# KiCad board sweep-v4.kicad_pcb

Outline 229.54 x 95.11 mm; copper layers: Top, Bottom. Coordinates in mm from the lower left corner of the outline.
Outline path: 1.43,78.35 arc(0.56,77.45) 0.01,76.33 0,22.03 arc(0.62,20.64) 2.04,20.1 2.31,20.09 arc(37.6,17.84) 72.34,11.19 ; 1.44,78.34 arc(22.41,90.78) 46.41,95.1 50.39,95.1 ; 50.39,95.11 arc(72.85,92.18) 94.57,85.78 arc(94.89,85.5) 95,85.1 95,63.7 arc(95.29,62.99) 96,62.7 112.7,62.7 arc(113.23,62.48) 113.45,61.95 113.47,56.46 113.83,56.46 arc(114.78,55.8) 115.74,56.46 116.08,56.46 116.09,61.95 arc(116.31,62.48) 116.84,62.7 133.54,62.7 arc(134.25,62.99) 134.54,63.7 134.54,85.1 arc(134.65,85.5) 134.97,85.78 arc(156.7,92.18) 179.16,95.11 ; 72.34,11.18 arc(85.36,6.73) 97.52,0.27 arc(99.01,0) 100.25,0.87 111.7,20.96 arc(113,24.54) 113.47,28.32 113.45,30.84 113.83,30.84 arc(114.78,31.49) 115.74,30.84 116.09,30.84 116.08,28.32 arc(116.53,24.56) 117.82,21 129.29,0.87 arc(130.53,0) 132.02,0.27 arc(144.18,6.73) 157.2,11.18 ; 157.2,11.19 arc(191.94,17.84) 227.23,20.09 227.51,20.1 arc(228.92,20.64) 229.54,22.03 229.53,76.33 arc(228.98,77.45) 228.11,78.35 arc(207.13,90.78) 183.13,95.1 179.16,95.1 ; 113.45,51.35 113.45,43.31 113.47,35.94 113.83,35.94 arc(114.78,35.28) 115.74,35.94 116.08,35.94 116.09,43.31 116.09,51.35 115.74,51.35 arc(114.78,52) 113.83,51.35 113.45,51.35

## Placement (name value [footprint] x y rotation side)
J1  AudioJack4dpb  [TRRS-PJ-DPB2]  118.81 25.83 90 top
J2  AudioJack4dpb  [TRRS-PJ-DPB2]  110.73 25.83 270 top
mouse-bite-5mm-slot  VAL**  [mouse-bite-5mm-slot-with-space-for-track]  114.78 53.89 0 top
mouse-bite-5mm-slot#2  VAL**  [mouse-bite-5mm-slot-with-space-for-track]  114.78 33.38 0 top
SW2  SW_Push  [keyswitch_cherrymx_alps_choc12_1u]  9.54 67.57 0 top
SW2_r1  SW_Push  [keyswitch_cherrymx_alps_choc12_1u]  220.17 67.57 0 top
SW3  SW_Push  [keyswitch_cherrymx_alps_choc12_1u]  28.54 79.57 0 top
SW3_r1  SW_Push  [keyswitch_cherrymx_alps_choc12_1u]  201.16 79.57 0 top
SW4  SW_Push  [keyswitch_cherrymx_alps_choc12_1u]  47.54 85.71 0 top
SW4_r1  SW_Push  [keyswitch_cherrymx_alps_choc12_1u]  182.13 85.71 0 top
SW5  SW_Push  [keyswitch_cherrymx_alps_choc12_1u]  66.54 81.14 0 top
SW5_r1  SW_Push  [keyswitch_cherrymx_alps_choc12_1u]  163.13 81.2 0 top
SW6  SW_Push  [keyswitch_cherrymx_alps_choc12_1u]  85.54 78.57 0 top
SW6_r1  SW_Push  [keyswitch_cherrymx_alps_choc12_1u]  144.13 78.57 0 top
SW7_r1  SW_Push  [keyswitch_cherrymx_alps_choc12_1u]  220.17 48.57 0 top
SW8  SW_Push  [keyswitch_cherrymx_alps_choc12_1u]  9.54 48.57 0 top
SW8_r1  SW_Push  [keyswitch_cherrymx_alps_choc12_1u]  201.16 60.59 0 top
SW9  SW_Push  [keyswitch_cherrymx_alps_choc12_1u]  28.54 60.49 0 top
SW9_r1  SW_Push  [keyswitch_cherrymx_alps_choc12_1u]  182.13 66.69 0 top
SW10  SW_Push  [keyswitch_cherrymx_alps_choc12_1u]  47.54 66.69 0 top
SW11  SW_Push  [keyswitch_cherrymx_alps_choc12_1u]  66.54 62.12 0 top
SW11_r1  SW_Push  [keyswitch_cherrymx_alps_choc12_1u]  163.13 62.15 0 top
SW12  SW_Push  [keyswitch_cherrymx_alps_choc12_1u]  85.52 59.58 0 top
SW12_r1  SW_Push  [keyswitch_cherrymx_alps_choc12_1u]  144.13 59.58 0 top
SW13_r1  SW_Push  [keyswitch_cherrymx_alps_choc12_1u]  220.17 29.57 0 top
SW14  SW_Push  [keyswitch_cherrymx_alps_choc12_1u]  9.54 29.57 0 top
SW15  SW_Push  [keyswitch_cherrymx_alps_choc12_1u]  28.55 41.44 0 top
SW15_r1  SW_Push  [keyswitch_cherrymx_alps_choc12_1u]  182.13 47.67 0 top
SW16  SW_Push  [keyswitch_cherrymx_alps_choc12_1u]  47.54 47.67 0 top
SW16_r1  SW_Push  [keyswitch_cherrymx_alps_choc12_1u]  163.13 43.1 0 top
SW17  SW_Push  [keyswitch_cherrymx_alps_choc12_1u]  66.54 43.1 0 top
SW17_r1  SW_Push  [keyswitch_cherrymx_alps_choc12_1u]  144.13 40.56 0 top
SW18  SW_Push  [keyswitch_cherrymx_alps_choc12_1u]  85.52 40.56 0 top
SW18_r1  SW_Push  [keyswitch_cherrymx_alps_choc12_1u]  201.16 41.58 0 top
SW20  SW_Push  [keyswitch_cherrymx_alps_choc12_1u]  95.49 12.06 330 top
SW20_r1  SW_Push  [keyswitch_cherrymx_alps_choc12_1u]  133.79 12.03 30 top
SW21  SW_Push  [keyswitch_cherrymx_alps_choc12_1u]  75.81 20.28 345 top
SW21_r1  SW_Push  [keyswitch_cherrymx_alps_choc12_1u]  153.72 20.16 15 top
U1  ProMicro-kbd  [ProMicro_v3_min]  104.64 44.32 0 top
U2  ProMicro-kbd  [ProMicro_v3_min]  125.06 44.32 0 top

## Library data of the parts
J1 = -: Field4: Sleeve; Field5: Tip; Field6: Ring1; Field7: Ring2
J2 = -: Field5: Sleeve; Field6: Ring1; Field7: Ring2; Field8: Tip

## Footprints (pads in the part's own frame, mm; a bottom-side part is the same pattern mirrored in y, then rotated)
keyswitch_cherrymx_alps_choc12_1u
  round 1.8 hole 1.8 unplated: (-5.5,0) (5.5,0)
  round 1.7 hole 1.7 unplated: (-5.08,0) (5.08,0)
  round 4 hole 4 unplated: (0,0)
  oval 2.2x1.6 hole 1x0.4: 1(-5.1,-3.9)
  round 2.4 hole 1.4: 1(-3.8,2.55) 2(2.5,4.8)
  oval 2.2x1.5 hole 1x0.3: 2(0,-5.9)
mouse-bite-5mm-slot-with-space-for-track
  round 0.5 hole 0.5 unplated: (-1.016,2.032) (-1.016,1.016) (-1.016,0) (-1.016,-1.016) (-1.016,-2.032) (1.016,2.032) (1.016,1.016) (1.016,0) (1.016,-1.016) (1.016,-2.032)
ProMicro_v3_min
  round 1.524 hole 0.813: 1(7.611,14.478) 2(7.611,11.938) 3(7.611,9.398) 4(7.611,6.858) 5(7.611,4.318) 6(7.611,1.778) 7(7.611,-0.762) 8(7.611,-3.302) 9(7.611,-5.842) 10(7.611,-8.382) 11(7.611,-10.922) 12(7.611,-13.462) 13(-7.609,-13.462) 14(-7.609,-10.922) 15(-7.609,-8.382) 16(-7.609,-5.842) 17(-7.609,-3.302) 18(-7.609,-0.762) 19(-7.609,1.778) 20(-7.609,4.318) 21(-7.609,6.858) 22(-7.609,9.398) 23(-7.609,11.938)
  rect 1.524x1.524 hole 0.813: 24(-7.609,14.478)
TRRS-PJ-DPB2
  round 0.8 hole 0.8 unplated: (0,-1.6) (0,-8.6)
  oval 1.6x2 hole 0.9x1.3: R1(2.3,-6.2) R2(2.3,-3.2) S(-2.3,-11.3) T(2.3,-10.2)

## Nets
gnd: J1.R2 J1.S J2.R2 J2.S SW2.2 SW2_r1.2 SW3.2 SW3_r1.2 SW4.2 SW4_r1.2 SW5.2 SW5_r1.2 SW6.2 SW6_r1.2 SW7_r1.2 SW8.2 SW8_r1.2 SW9.2 SW9_r1.2 SW10.2 SW11.2 SW11_r1.2 SW12.2 SW12_r1.2 SW13_r1.2 SW14.2 SW15.2 SW15_r1.2 SW16.2 SW16_r1.2 SW17.2 SW17_r1.2 SW18.2 SW18_r1.2 SW20.2 SW20_r1.2 SW21.2 SW21_r1.2 U1.3 U1.4 U1.23 U2.3 U2.4 U2.23
vcc: J1.T J2.T U1.21 U2.21
raw: U1.24 U2.24
reset: U1.22
reset_r: U2.22
Switch1: SW2.1 U1.10
Switch1_r: SW2_r1.1 U2.10
Switch2: SW3.1 U1.17
Switch2_r: SW3_r1.1 U2.17
Switch3: SW4.1 U1.18
Switch3_r: SW4_r1.1 U2.18
Switch4: SW5.1 U1.19
Switch4_r: SW5_r1.1 U2.19
Switch5: SW6.1 U1.20
Switch5_r: SW6_r1.1 U2.20
Switch6: SW8.1 U1.16
Switch6_r: SW7_r1.1 U2.16
Switch7: SW9.1 U1.15
Switch7_r: SW8_r1.1 U2.15
Switch8: SW10.1 U1.14
Switch8_r: SW9_r1.1 U2.14
Switch9: SW11.1 U1.13
Switch9_r: SW11_r1.1 U2.13
Switch10: SW12.1 U1.1
Switch10_r: SW12_r1.1 U2.1
Switch11: SW14.1 U1.5
Switch11_r: SW13_r1.1 U2.5
Switch12: SW15.1 U1.6
Switch12_r: SW18_r1.1 U2.6
Switch13: SW16.1 U1.7
Switch13_r: SW15_r1.1 U2.7
Switch14: SW17.1 U1.8
Switch14_r: SW16_r1.1 U2.8
Switch15: SW18.1 U1.9
Switch15_r: SW17_r1.1 U2.9
Switch16: SW21.1 U1.11
Switch16_r: SW21_r1.1 U2.11
Switch17: SW20.1 U1.12
Switch17_r: SW20_r1.1 U2.12
Switch18: J2.R1 U1.2
Switch18_r: J1.R1 U2.2

## Routing (per net, layer and track width the routed paths; a pad name or vN(x,y) marks a point on that pad's centre or on a via; arc(x,y) is an arc through that point)
vcc: length 67.7
  Top w0.25: U2.21 118.84,49.79 arc(119.06,49.47) 119.13,49.09 119.13,25.69 arc(119.21,25.31) 119.42,24.99 119.54,24.87 arc(119.86,24.66) 120.25,24.58 123.78,24.58 arc(124.16,24.66) 124.48,24.87 127.46,27.84 arc(127.78,28.06) 128.16,28.13 J1.T ; U1.21 98.44,49.77 arc(98.66,49.44) 98.73,49.06 98.73,32.68 arc(98.81,32.3) 99.02,31.98 101.17,29.83 arc(101.39,29.51) 101.46,29.12 101.46,27.83 arc(101.39,27.45) 101.17,27.13 100.82,26.78 arc(100.61,26.46) 100.53,26.07 J2.T
Switch1: length 180
  Top w0.25: SW2.1 5.74,65.38 arc(5.67,65) 5.45,64.68 SW2.1
  Bottom w0.25: SW2.1 4.44,53.55 arc(4.37,53.17) 4.15,52.84 2.84,51.54 arc(2.63,51.21) 2.55,50.83 2.55,25.49 arc(2.63,25.11) 2.84,24.79 3.28,24.35 arc(3.6,24.14) 3.99,24.06 4.91,24.06 arc(5.29,24.14) 5.61,24.35 6.19,24.93 arc(6.51,25.14) 6.9,25.22 12.73,25.22 arc(13.11,25.3) 13.43,25.51 24.43,36.51 arc(25.08,36.94) 25.85,37.09 30.98,37.09 arc(31.36,37.17) 31.68,37.39 32.98,38.69 arc(33.31,38.9) 33.69,38.98 35.47,38.98 arc(35.85,39.06) 36.18,39.27 39.19,42.29 arc(39.52,42.5) 39.9,42.58 43.27,42.58 arc(43.66,42.66) 43.98,42.87 44.14,43.03 arc(44.46,43.25) 44.85,43.32 49.6,43.32 arc(49.98,43.25) 50.3,43.03 53.06,40.27 arc(53.39,40.06) 53.77,39.98 58.02,39.98 arc(58.4,39.9) 58.72,39.69 60.11,38.3 arc(60.43,38.09) 60.82,38.01 62.72,38.01 arc(63.1,38.09) 63.42,38.3 63.58,38.46 arc(63.9,38.67) 64.29,38.75 75.88,38.75 arc(76.26,38.67) 76.58,38.46 80.65,34.39 arc(80.87,34.06) 80.95,33.68 80.95,28.45 arc(81.02,28.07) 81.24,27.74 84.2,24.78 arc(84.53,24.56) 84.91,24.48 98.82,24.48 arc(99.2,24.56) 99.52,24.78 110.39,35.65 arc(110.72,35.86) 111.1,35.94 U1.10
Switch1_r: length 159.4
  Top w0.25: SW2_r1.1 216.37,65.38 arc(216.3,65) 216.08,64.68 SW2_r1.1
  Bottom w0.25: U2.10 131.22,37.4 arc(131,37.72) 130.92,38.1 130.92,48.78 arc(131,49.16) 131.22,49.48 131.35,49.62 arc(131.67,49.83) 132.06,49.91 149.45,49.91 arc(149.84,49.99) 150.16,50.2 152.46,52.5 arc(152.78,52.71) 153.16,52.79 169.6,52.79 arc(169.98,52.87) 170.3,53.08 172.14,54.91 arc(172.46,55.13) 172.84,55.2 191.22,55.2 arc(191.6,55.13) 191.93,54.91 197.89,48.95 arc(198.21,48.74) 198.59,48.66 206.72,48.66 arc(207.11,48.58) 207.43,48.37 216.43,39.37 arc(216.75,39.16) 217.13,39.08 224.9,39.08 arc(225.29,39.16) 225.61,39.37 227.2,40.96 arc(227.42,41.29) 227.49,41.67 227.49,54.15 arc(227.42,54.54) 227.2,54.86 225.61,56.45 arc(225.29,56.67) 224.9,56.74 217.1,56.74 arc(216.72,56.82) 216.39,57.04 215.37,58.06 arc(215.15,58.39) 215.07,58.77 SW2_r1.1
Switch2: length 106.7
  Top w0.25: SW3.1 24.74,77.38 arc(24.67,77) 24.45,76.68 SW3.1
  Bottom w0.25: SW3.1 29.89,75.67 arc(30.28,75.59) 30.6,75.38 31.16,74.82 arc(31.49,74.6) 31.87,74.52 62.46,74.52 arc(62.85,74.45) 63.17,74.23 64.56,72.84 arc(64.88,72.63) 65.27,72.55 77.8,72.55 arc(78.18,72.47) 78.51,72.26 81.42,69.34 arc(81.74,69.13) 82.13,69.05 89.55,69.05 arc(89.94,68.97) 90.26,68.76 92.68,66.34 arc(92.89,66.02) 92.97,65.63 92.97,61.86 arc(93.05,61.48) 93.26,61.15 94.17,60.25 arc(94.39,59.92) 94.46,59.54 94.46,44 arc(94.54,43.62) 94.75,43.29 U1.17
Switch2_r: length 108.3
  Top w0.25: SW3_r1.1 197.06,76.68 arc(197.28,77) 197.36,77.38 SW3_r1.1
  Bottom w0.25: SW3_r1.1 171.94,75.67 arc(171.56,75.59) 171.23,75.38 169.08,73.23 arc(168.76,73.01) 168.38,72.93 150.32,72.93 arc(149.94,72.86) 149.62,72.64 146.89,69.92 arc(146.57,69.7) 146.19,69.63 140.51,69.63 arc(140.13,69.55) 139.8,69.34 137.05,66.59 arc(136.84,66.26) 136.76,65.88 136.76,62.76 arc(136.69,62.38) 136.47,62.05 135.29,60.87 arc(134.96,60.66) 134.58,60.58 126.31,60.58 arc(125.92,60.5) 125.6,60.29 121.23,55.92 arc(121.02,55.6) 120.94,55.22 120.94,44.93 arc(120.87,44.54) 120.65,44.22 U2.17
Switch3: length 88.1
  Top w0.25: SW4.1 43.74,83.52 arc(43.67,83.14) 43.45,82.82 SW4.1
  Bottom w0.25: U1.18 95.2,45.38 arc(94.99,45.71) 94.91,46.09 94.91,59.73 arc(94.84,60.11) 94.62,60.43 93.71,61.34 arc(93.5,61.66) 93.42,62.05 93.42,65.82 arc(93.34,66.2) 93.13,66.53 90.45,69.21 arc(90.12,69.42) 89.74,69.5 82.31,69.5 arc(81.93,69.58) 81.61,69.79 78.69,72.71 arc(78.37,72.92) 77.99,73 65.45,73 arc(65.07,73.08) 64.74,73.29 63.36,74.68 arc(63.03,74.9) 62.65,74.97 49.69,74.97 arc(49.31,75.05) 48.99,75.27 SW4.1
Switch3_r: length 89.6
  Top w0.25: SW4_r1.1 178.33,83.52 arc(178.25,83.14) 178.04,82.82 SW4_r1.1
  Bottom w0.25: U2.18 120.2,46.31 arc(120.42,46.63) 120.49,47.02 120.49,55.4 arc(120.57,55.78) 120.78,56.11 125.41,60.74 arc(125.74,60.95) 126.12,61.03 134.39,61.03 arc(134.78,61.11) 135.1,61.32 136.02,62.24 arc(136.24,62.56) 136.31,62.95 136.31,66.07 arc(136.39,66.45) 136.6,66.77 139.62,69.79 arc(139.94,70) 140.32,70.08 146,70.08 arc(146.38,70.15) 146.71,70.37 149.43,73.09 arc(149.75,73.31) 150.14,73.38 168.19,73.38 arc(168.57,73.46) 168.9,73.68 SW4_r1.1
Switch4: length 65.1
  Top w0.25: SW5.1 62.74,78.95 arc(62.66,78.57) 62.44,78.24 SW5.1
  Bottom w0.25: U1.19 95.65,47.47 arc(95.44,47.8) 95.36,48.18 95.36,59.91 arc(95.29,60.3) 95.07,60.62 94.16,61.52 arc(93.95,61.85) 93.87,62.23 93.87,66.01 arc(93.79,66.39) 93.58,66.71 90.63,69.66 arc(90.31,69.87) 89.93,69.95 82.5,69.95 arc(82.12,70.03) 81.79,70.24 78.88,73.16 arc(78.56,73.37) 78.17,73.45 65.64,73.45 arc(65.26,73.53) 64.93,73.74 SW5.1
Switch4_r: length 66.7
  Top w0.25: SW5_r1.1 159.03,78.31 arc(159.25,78.63) 159.33,79.02 SW5_r1.1
  Bottom w0.25: U2.19 119.75,48.4 arc(119.97,48.72) 120.04,49.11 120.04,55.59 arc(120.12,55.97) 120.33,56.3 125.23,61.19 arc(125.55,61.4) 125.93,61.48 134.21,61.48 arc(134.59,61.56) 134.92,61.77 135.57,62.43 arc(135.79,62.75) 135.86,63.13 135.86,66.25 arc(135.94,66.64) 136.15,66.96 139.43,70.24 arc(139.75,70.45) 140.14,70.53 145.81,70.53 arc(146.2,70.6) 146.52,70.82 152.71,77.01 arc(153.03,77.22) 153.42,77.3 SW5_r1.1
Switch5: length 44.4
  Top w0.25: SW6.1 81.45,75.68 arc(81.67,76) 81.74,76.38 SW6.1
  Bottom w0.25: SW6.1 80.44,72.65 arc(80.52,72.26) 80.73,71.94 81.98,70.69 arc(82.3,70.48) 82.69,70.4 83.66,70.4 90.11,70.4 arc(90.49,70.32) 90.82,70.11 94.04,66.88 arc(94.26,66.56) 94.34,66.18 94.34,62.4 arc(94.41,62.02) 94.63,61.7 95.52,60.81 arc(95.74,60.48) 95.81,60.1 95.81,50.27 arc(95.89,49.89) 96.1,49.56 U1.20
Switch5_r: length 46.9
  Top w0.25: SW6_r1.1 140.33,76.38 arc(140.25,76) 140.03,75.68 SW6_r1.1
  Bottom w0.25: U2.20 119.3,50.49 arc(119.52,50.81) 119.59,51.2 119.59,55.77 arc(119.67,56.16) 119.88,56.48 125.04,61.64 arc(125.36,61.85) 125.75,61.93 134.02,61.93 arc(134.4,62.01) 134.73,62.22 135.12,62.61 arc(135.34,62.94) 135.41,63.32 135.41,66.44 arc(135.49,66.82) 135.7,67.15 138.73,70.18 arc(138.95,70.5) 139.03,70.88 SW6_r1.1
Switch6: length 143.4
  Top w0.25: SW8.1 5.74,46.38 arc(5.67,46) 5.45,45.68 SW8.1
  Bottom w0.25: U1.16 94.3,41.2 arc(94.09,41.53) 94.01,41.91 94.01,59.35 arc(93.94,59.74) 93.72,60.06 92.81,60.97 arc(92.6,61.29) 92.52,61.67 92.52,65.45 arc(92.44,65.83) 92.23,66.15 90.07,68.31 arc(89.75,68.52) 89.37,68.6 81.94,68.6 arc(81.56,68.68) 81.23,68.89 78.32,71.81 arc(78,72.02) 77.61,72.1 65.08,72.1 arc(64.7,72.18) 64.37,72.39 62.98,73.78 arc(62.66,74) 62.28,74.07 31.68,74.07 arc(31.3,74.15) 30.98,74.37 30.41,74.93 arc(30.09,75.14) 29.71,75.22 27.21,75.22 arc(26.82,75.14) 26.5,74.93 14.95,63.38 arc(14.63,63.17) 14.25,63.09 6.88,63.09 arc(6.49,63.01) 6.17,62.8 5.18,61.81 arc(4.97,61.49) 4.89,61.1 4.89,52.38 arc(4.97,52) 5.18,51.68 SW8.1
Switch6_r: length 145.4
  Top w0.25: SW7_r1.1 216.08,45.68 arc(216.3,46) 216.37,46.38 SW7_r1.1
  Bottom w0.25: U2.16 121.1,42.13 arc(121.32,42.45) 121.39,42.84 121.39,55.03 arc(121.47,55.41) 121.68,55.74 125.78,59.84 arc(126.11,60.05) 126.49,60.13 134.77,60.13 arc(135.15,60.21) 135.47,60.42 136.92,61.87 arc(137.14,62.19) 137.21,62.57 137.21,65.69 arc(137.29,66.08) 137.5,66.4 139.99,68.89 arc(140.31,69.1) 140.7,69.18 146.37,69.18 arc(146.76,69.25) 147.08,69.47 149.8,72.19 arc(150.13,72.41) 150.51,72.48 168.56,72.48 arc(168.95,72.56) 169.27,72.78 171.42,74.93 arc(171.74,75.14) 172.13,75.22 193.28,75.22 arc(193.66,75.14) 193.98,74.93 200.92,67.99 arc(201.24,67.78) 201.63,67.7 208.15,67.7 arc(208.53,67.62) 208.85,67.41 214.33,61.93 arc(214.55,61.61) 214.62,61.22 214.62,58.58 arc(214.7,58.2) 214.92,57.88 216.08,56.71 arc(216.3,56.39) 216.37,56.01 SW7_r1.1
Switch7: length 100.9
  Top w0.25: SW9.1 24.74,58.31 arc(24.67,57.93) 24.45,57.6 SW9.1
  Bottom w0.25: U1.15 93.85,39.11 arc(93.64,39.44) 93.56,39.82 93.56,49.22 arc(93.49,49.61) 93.27,49.93 92.38,50.82 arc(92.06,51.04) 91.67,51.11 78.99,51.11 arc(78.61,51.19) 78.28,51.41 71.38,58.31 arc(71.06,58.52) 70.67,58.6 65.72,58.6 64.26,58.6 arc(63.88,58.68) 63.55,58.89 62.65,59.8 arc(62.32,60.02) 61.94,60.09 59.08,60.09 arc(58.7,60.17) 58.38,60.39 55.81,62.95 arc(55.49,63.16) 55.11,63.24 44.83,63.24 arc(44.45,63.32) 44.13,63.53 43.64,64.02 arc(43.32,64.23) 42.94,64.31 41.89,64.31 arc(41.5,64.23) 41.18,64.02 34.05,56.89 arc(33.73,56.67) 33.34,56.59 SW9.1
Switch7_r: length 134.9
  Top w0.25: SW8_r1.1 197.06,57.7 arc(197.28,58.03) 197.36,58.41 SW8_r1.1
  Bottom w0.25: U2.15 121.55,40.04 arc(121.77,40.36) 121.84,40.75 121.84,54.84 arc(121.92,55.23) 122.13,55.55 125.97,59.39 arc(126.3,59.6) 126.68,59.68 129.17,59.68 arc(129.55,59.6) 129.87,59.39 131.45,57.81 arc(131.77,57.6) 132.16,57.52 133.14,57.52 arc(133.52,57.44) 133.84,57.23 134.79,56.28 arc(135.01,55.96) 135.08,55.57 135.08,52.64 arc(135.16,52.25) 135.37,51.93 135.75,51.55 arc(136.08,51.34) 136.46,51.26 148.89,51.26 arc(149.28,51.34) 149.6,51.55 152.95,54.9 arc(153.16,55.22) 153.24,55.6 153.24,64.08 arc(153.32,64.47) 153.53,64.79 160.48,71.74 arc(160.81,71.96) 161.19,72.03 168.75,72.03 arc(169.13,72.11) 169.46,72.33 171.61,74.48 arc(171.93,74.69) 172.31,74.77 193.09,74.77 arc(193.47,74.69) 193.8,74.48 197.06,71.21 arc(197.28,70.89) 197.36,70.5 SW8_r1.1
Switch8: length 80.4
  Top w0.25: SW10.1 43.45,63.8 arc(43.67,64.12) 43.74,64.51 SW10.1
  Bottom w0.25: SW10.1 54.92,62.79 arc(55.3,62.71) 55.63,62.5 58.19,59.94 arc(58.51,59.72) 58.9,59.64 61.75,59.64 arc(62.13,59.57) 62.46,59.35 63.37,58.44 arc(63.69,58.23) 64.07,58.15 70.49,58.15 arc(70.87,58.07) 71.19,57.86 78.1,50.96 arc(78.42,50.74) 78.8,50.66 91.49,50.66 arc(91.87,50.59) 92.19,50.37 92.82,49.74 arc(93.04,49.42) 93.11,49.04 93.11,37.73 arc(93.19,37.35) 93.4,37.02 U1.14
Switch8_r: length 111
  Top w0.25: SW9_r1.1 178.04,63.8 arc(178.25,64.12) 178.33,64.51 SW9_r1.1
  Bottom w0.25: SW9_r1.1 178.33,69.87 arc(178.25,70.25) 178.04,70.57 174.58,74.03 arc(174.26,74.24) 173.88,74.32 172.5,74.32 arc(172.12,74.24) 171.79,74.03 169.64,71.88 arc(169.32,71.66) 168.94,71.58 161.38,71.58 arc(161,71.51) 160.67,71.29 153.98,64.6 arc(153.77,64.28) 153.69,63.9 153.69,55.42 arc(153.61,55.04) 153.4,54.71 149.79,51.1 arc(149.46,50.89) 149.08,50.81 136.27,50.81 arc(135.89,50.89) 135.57,51.1 134.92,51.74 arc(134.71,52.07) 134.63,52.45 134.63,53.53 arc(134.56,53.92) 134.34,54.24 133.91,54.67 arc(133.59,54.88) 133.21,54.96 132.57,54.96 arc(132.19,55.04) 131.86,55.25 131.67,55.45 arc(131.45,55.77) 131.37,56.16 131.37,56.84 arc(131.3,57.22) 131.08,57.54 129.69,58.94 arc(129.36,59.15) 128.98,59.23 126.86,59.23 arc(126.48,59.15) 126.16,58.94 122.58,55.36 arc(122.37,55.04) 122.29,54.66 122.29,38.66 arc(122.22,38.27) 122,37.95 U2.14
Switch9: length 61.8
  Top w0.25: SW11.1 62.74,59.93 arc(62.67,59.55) 62.45,59.23 SW11.1
  Bottom w0.25: SW11.1 61.67,57.99 arc(61.99,57.78) 62.37,57.7 70.3,57.7 arc(70.68,57.62) 71.01,57.41 77.91,50.51 arc(78.23,50.29) 78.62,50.21 91.3,50.21 arc(91.68,50.14) 92.01,49.92 92.37,49.56 arc(92.59,49.23) 92.66,48.85 92.66,35.64 arc(92.74,35.26) 92.95,34.93 U1.13
Switch9_r: length 87.8
  Top w0.25: SW11_r1.1 159.33,59.97 arc(159.25,59.58) 159.03,59.26 SW11_r1.1
  Bottom w0.25: U2.13 122.45,35.86 arc(122.67,36.18) 122.74,36.57 122.74,54.47 arc(122.82,54.85) 123.03,55.18 126.34,58.49 arc(126.67,58.7) 127.05,58.78 128.79,58.78 arc(129.18,58.7) 129.5,58.49 130.63,57.36 arc(130.85,57.03) 130.92,56.65 130.92,53.92 arc(131,53.54) 131.22,53.21 131.71,52.72 arc(132.03,52.51) 132.42,52.43 133.19,52.43 arc(133.57,52.35) 133.89,52.14 135.38,50.65 arc(135.7,50.44) 136.09,50.36 149.27,50.36 arc(149.65,50.44) 149.97,50.65 153.85,54.52 arc(154.06,54.85) 154.14,55.23 154.14,63.71 arc(154.22,64.09) 154.43,64.42 154.44,64.43 arc(154.77,64.64) 155.15,64.72 157.07,64.72 157.08,64.7 SW11_r1.1
Switch10: length 44.2
  Top w0.25: SW12.1 81.72,57.39 arc(81.65,57.01) 81.43,56.69 SW12.1 92.67,55.68 arc(93.05,55.6) 93.37,55.39 96.04,52.72 arc(96.36,52.51) 96.75,52.43 97.28,52.43 arc(97.66,52.51) 97.98,52.72 98.44,53.18 arc(98.66,53.5) 98.73,53.88 98.73,56.07 arc(98.81,56.45) 99.02,56.78 99.71,57.46 arc(100.03,57.68) 100.41,57.75 110.78,57.75 arc(111.17,57.83) 111.49,58.05 U1.1
Switch10_r: length 15.9
  Top w0.25: SW12_r1.1 140.03,56.69 arc(140.25,57.01) 140.33,57.39 SW12_r1.1
  Bottom w0.25: SW12_r1.1 138.23,62.13 arc(137.85,62.05) 137.53,61.84 135.66,59.97 arc(135.34,59.76) 134.95,59.68 133.96,59.68 arc(133.58,59.6) 133.26,59.39 U2.1
Switch11: length 151.6
  Top w0.25: SW14.1 5.45,26.68 arc(5.67,27) 5.74,27.38 SW14.1
  Bottom w0.25: U1.5 108.8,45.2 arc(108.59,44.87) 108.51,44.49 108.51,37.36 arc(108.44,36.98) 108.22,36.66 102.37,30.8 arc(102.04,30.59) 101.66,30.51 98.93,30.51 arc(98.55,30.43) 98.23,30.22 95.04,27.03 arc(94.71,26.81) 94.33,26.74 85.84,26.74 arc(85.46,26.81) 85.14,27.03 83.49,28.67 arc(83.27,29) 83.2,29.38 83.2,37.27 arc(83.12,37.65) 82.9,37.98 82.04,38.84 arc(81.72,39.06) 81.33,39.14 78.86,39.14 arc(78.48,39.21) 78.16,39.43 77.33,40.26 arc(77,40.47) 76.62,40.55 64.66,40.55 arc(64.28,40.63) 63.95,40.84 63.76,41.04 arc(63.44,41.25) 63.05,41.33 54.35,41.33 arc(53.97,41.41) 53.65,41.62 50.89,44.38 arc(50.56,44.6) 50.18,44.67 45.04,44.67 arc(44.66,44.75) 44.33,44.97 44.02,45.28 arc(43.7,45.49) 43.32,45.57 41.62,45.57 arc(41.23,45.49) 40.91,45.28 35.8,40.17 arc(35.48,39.96) 35.1,39.88 33.32,39.88 arc(32.93,39.8) 32.61,39.59 31.31,38.29 arc(30.99,38.07) 30.6,37.99 25.81,37.99 arc(25.43,38.07) 25.1,38.29 24.65,38.74 arc(24.33,38.95) 23.95,39.03 22.94,39.03 arc(22.55,38.95) 22.23,38.74 21.97,38.48 arc(21.76,38.16) 21.68,37.77 21.68,34.81 arc(21.61,34.43) 21.39,34.1 13.25,25.96 arc(12.92,25.75) 12.54,25.67 SW14.1
Switch11_r: length 106
  Top w0.25: SW13_r1.1 216.08,26.68 arc(216.3,27) 216.37,27.38 SW13_r1.1
  Bottom w0.25: U2.5 134.44,48.64 arc(134.82,48.72) 135.15,48.93 135.38,49.17 arc(135.7,49.38) 136.09,49.46 149.64,49.46 arc(150.02,49.54) 150.35,49.75 152.64,52.05 arc(152.97,52.26) 153.35,52.34 169.78,52.34 arc(170.17,52.42) 170.49,52.63 172.32,54.46 arc(172.65,54.68) 173.03,54.75 191.03,54.75 arc(191.41,54.68) 191.74,54.46 197.7,48.5 arc(198.02,48.29) 198.41,48.21 206.54,48.21 arc(206.92,48.13) 207.25,47.92 216.08,39.08 arc(216.3,38.76) 216.37,38.37 SW13_r1.1
Switch12: length 122.6
  Top w0.25: SW15.1 24.46,38.55 arc(24.67,38.88) 24.75,39.26 SW15.1
  Bottom w0.25: SW15.1 30.79,37.54 arc(31.17,37.62) 31.5,37.84 32.8,39.14 arc(33.12,39.35) 33.5,39.43 35.28,39.43 arc(35.67,39.51) 35.99,39.72 41.1,44.83 arc(41.42,45.04) 41.8,45.12 43.13,45.12 arc(43.51,45.04) 43.84,44.83 44.15,44.52 arc(44.47,44.3) 44.85,44.22 50,44.22 arc(50.38,44.15) 50.7,43.93 53.46,41.17 arc(53.79,40.96) 54.17,40.88 62.87,40.88 arc(63.25,40.8) 63.57,40.59 63.77,40.39 arc(64.09,40.18) 64.47,40.1 76.43,40.1 arc(76.82,40.02) 77.14,39.81 77.97,38.98 arc(78.3,38.76) 78.68,38.69 81.15,38.69 arc(81.53,38.61) 81.85,38.39 82.45,37.79 arc(82.67,37.47) 82.75,37.09 82.75,29.2 arc(82.82,28.81) 83.04,28.49 84.95,26.58 arc(85.27,26.36) 85.66,26.29 94.52,26.29 arc(94.9,26.36) 95.22,26.58 98.41,29.77 arc(98.74,29.98) 99.12,30.06 101.84,30.06 arc(102.23,30.14) 102.55,30.35 108.67,36.47 arc(108.89,36.79) 108.96,37.18 108.96,42.4 arc(109.04,42.78) 109.25,43.11 U1.6
Switch12_r: length 81.3
  Top w0.25: SW18_r1.1 197.06,38.68 arc(197.28,39.01) 197.36,39.39 SW18_r1.1
  Bottom w0.25: SW18_r1.1 197.36,47.79 arc(197.28,48.18) 197.06,48.5 191.55,54.01 arc(191.23,54.23) 190.85,54.3 177,54.3 173.21,54.3 arc(172.83,54.23) 172.51,54.01 170.68,52.18 arc(170.35,51.97) 169.97,51.89 153.54,51.89 arc(153.15,51.81) 152.83,51.6 150.53,49.3 arc(150.21,49.09) 149.83,49.01 136.27,49.01 arc(135.89,48.93) 135.57,48.72 132.95,46.1 U2.6
Switch13: length 98.4
  Top w0.25: SW16.1 43.74,45.49 arc(43.67,45.1) 43.45,44.78 SW16.1
  Bottom w0.25: SW16.1 49.78,43.77 arc(50.17,43.7) 50.49,43.48 53.25,40.72 arc(53.57,40.51) 53.96,40.43 62.68,40.43 arc(63.06,40.35) 63.39,40.14 63.58,39.94 arc(63.9,39.73) 64.29,39.65 76.25,39.65 arc(76.63,39.57) 76.96,39.36 77.78,38.53 arc(78.11,38.31) 78.49,38.24 80.96,38.24 arc(81.34,38.16) 81.67,37.94 82,37.61 arc(82.22,37.28) 82.3,36.9 82.3,29.01 arc(82.37,28.63) 82.59,28.3 84.76,26.13 arc(85.09,25.91) 85.47,25.84 94.7,25.84 arc(95.09,25.91) 95.41,26.13 98.6,29.32 arc(98.92,29.53) 99.31,29.61 102.03,29.61 arc(102.41,29.69) 102.74,29.9 109.12,36.28 arc(109.34,36.61) 109.41,36.99 109.41,40.31 arc(109.49,40.69) 109.7,41.02 U1.7
Switch13_r: length 59
  Top w0.25: SW15_r1.1 178.33,45.49 arc(178.25,45.1) 178.04,44.78 SW15_r1.1
  Bottom w0.25: SW15_r1.1 174.99,53.56 arc(174.67,53.78) 174.28,53.85 173.4,53.85 arc(173.02,53.78) 172.69,53.56 170.86,51.73 arc(170.54,51.52) 170.16,51.44 153.72,51.44 arc(153.34,51.36) 153.01,51.15 150.72,48.85 arc(150.4,48.64) 150.01,48.56 136.46,48.56 arc(136.08,48.48) 135.75,48.27 134.92,47.44 arc(134.71,47.11) 134.63,46.73 134.63,45.94 arc(134.56,45.55) 134.34,45.23 U2.7
Switch14: length 76
  Top w0.25: SW17.1 62.45,40.21 arc(62.67,40.53) 62.74,40.92 SW17.1
  Bottom w0.25: U1.8 110.15,38.93 arc(109.94,38.6) 109.86,38.22 109.86,36.8 arc(109.79,36.42) 109.57,36.1 99.15,25.68 arc(98.83,25.46) 98.44,25.38 85.28,25.38 arc(84.9,25.46) 84.58,25.68 82.14,28.12 arc(81.92,28.44) 81.85,28.82 81.85,36.71 arc(81.77,37.1) 81.55,37.42 81.48,37.49 arc(81.16,37.71) 80.77,37.79 78.31,37.79 arc(77.92,37.86) 77.6,38.08 76.77,38.91 arc(76.44,39.12) 76.06,39.2 SW17.1
Switch14_r: length 43.9
  Top w0.25: SW16_r1.1 159.33,40.92 arc(159.25,40.53) 159.03,40.21 SW16_r1.1
  Bottom w0.25: SW16_r1.1 159.33,49.04 arc(159.25,49.42) 159.03,49.75 158.08,50.7 arc(157.76,50.91) 157.38,50.99 153.91,50.99 arc(153.53,50.91) 153.2,50.7 150.91,48.4 arc(150.58,48.19) 150.2,48.11 136.65,48.11 arc(136.26,48.03) 135.94,47.82 135.37,47.25 arc(135.16,46.93) 135.08,46.55 135.08,43.85 arc(135.01,43.46) 134.79,43.14 U2.8
Switch15: length 54
  Top w0.25: SW18.1 81.43,37.67 arc(81.65,37.99) 81.72,38.38 SW18.1
  Bottom w0.25: SW18.1 81.1,35.98 arc(81.32,35.65) 81.4,35.27 81.4,28.64 arc(81.47,28.25) 81.69,27.93 84.39,25.23 arc(84.72,25.01) 85.1,24.93 98.63,24.93 arc(99.01,25.01) 99.34,25.23 110.23,36.12 arc(110.23,36.12) 110.23,36.12 112.25,38.13 U1.9 112.25,38.12
Switch15_r: length 25.2
  Top w0.25: SW17_r1.1 140.33,38.38 arc(140.25,37.99) 140.03,37.67 SW17_r1.1
  Bottom w0.25: SW17_r1.1 140.33,46.08 arc(140.25,46.46) 140.03,46.79 139.45,47.37 arc(139.13,47.58) 138.75,47.66 136.83,47.66 arc(136.45,47.58) 136.12,47.37 135.82,47.07 arc(135.61,46.74) 135.53,46.36 135.53,41.76 arc(135.46,41.37) 135.24,41.05 U2.9
Switch16: length 57.1
  Bottom w0.25: U1.11 110.85,32.01 arc(110.64,31.68) 110.56,31.3 110.56,24.71 arc(110.49,24.33) 110.27,24.01 107.25,20.99 arc(106.93,20.78) 106.55,20.7 80.47,20.7 arc(80.08,20.78) 79.76,20.99 77.32,23.43 arc(76.99,23.65) 76.61,23.73 SW21.1 72.8,21.65 arc(72.73,21.27) 72.51,20.95 70.17,18.61 arc(69.95,18.28) 69.88,17.9 SW21.1
Switch16_r: length 33.6
  Bottom w0.25: SW21_r1.1 150.4,15.67 150.4,20.21 arc(150.33,20.6) 150.11,20.92 SW21_r1.1 136.35,21.64 arc(135.97,21.71) 135.64,21.93 135.46,22.11 arc(135.25,22.43) 135.17,22.82 135.17,30.49 arc(135.1,30.87) 134.88,31.19 U2.11
Switch17: length 35.3
  Bottom w0.25: 92.72,15.41 92.72,13.93 arc(92.64,13.55) 92.42,13.23 90.73,11.53 arc(90.4,11.31) 90.02,11.24 SW20.1 ; 92.72,15.45 93.45,16.17 SW20.1 97.26,19.96 arc(97.58,20.17) 97.97,20.25 106.73,20.25 arc(107.12,20.33) 107.44,20.54 110.72,23.82 arc(110.94,24.14) 111.01,24.53 111.01,29.21 arc(111.09,29.59) 111.3,29.92 U1.12
Switch17_r: length 28.6
  Bottom w0.25: SW20_r1.1 131.33,9.43 arc(131.25,9.81) 131.03,10.14 129.23,11.94 SW20_r1.1 129.23,16.49 arc(129.3,16.88) 129.52,17.2 134.43,22.11 arc(134.65,22.43) 134.72,22.82 134.72,28.4 arc(134.65,28.78) 134.43,29.1 U2.12
Switch18: length 48.7
  Top w0.25: U1.2 111.5,57.01 arc(111.17,57.23) 110.79,57.3 100.6,57.3 arc(100.22,57.23) 99.89,57.01 99.47,56.59 arc(99.26,56.27) 99.18,55.88 99.18,32.87 arc(99.26,32.49) 99.47,32.16 104.24,27.4 arc(104.46,27.07) 104.53,26.69 J2.R1
Switch18_r: length 44.2
  Top w0.25: U2.2 131.92,57.01 arc(131.6,57.23) 131.22,57.3 121,57.3 arc(120.62,57.23) 120.29,57.01 119.87,56.59 arc(119.66,56.27) 119.58,55.88 119.58,34.18 arc(119.66,33.79) 119.87,33.47 125.01,28.33 J1.R1

## Copper pours and planes (outline as drawn; the poured copper is in the pictures)
gnd on Top: -7.52,106.47 236.32,106.47 236.32,-12.91 -7.52,-12.91
gnd on Bottom: -10.06,109.01 238.86,109.01 238.86,-15.45 -10.06,-15.45
